# Altium PCB BC2087.PcbDoc (part 1 of 6) (continued)
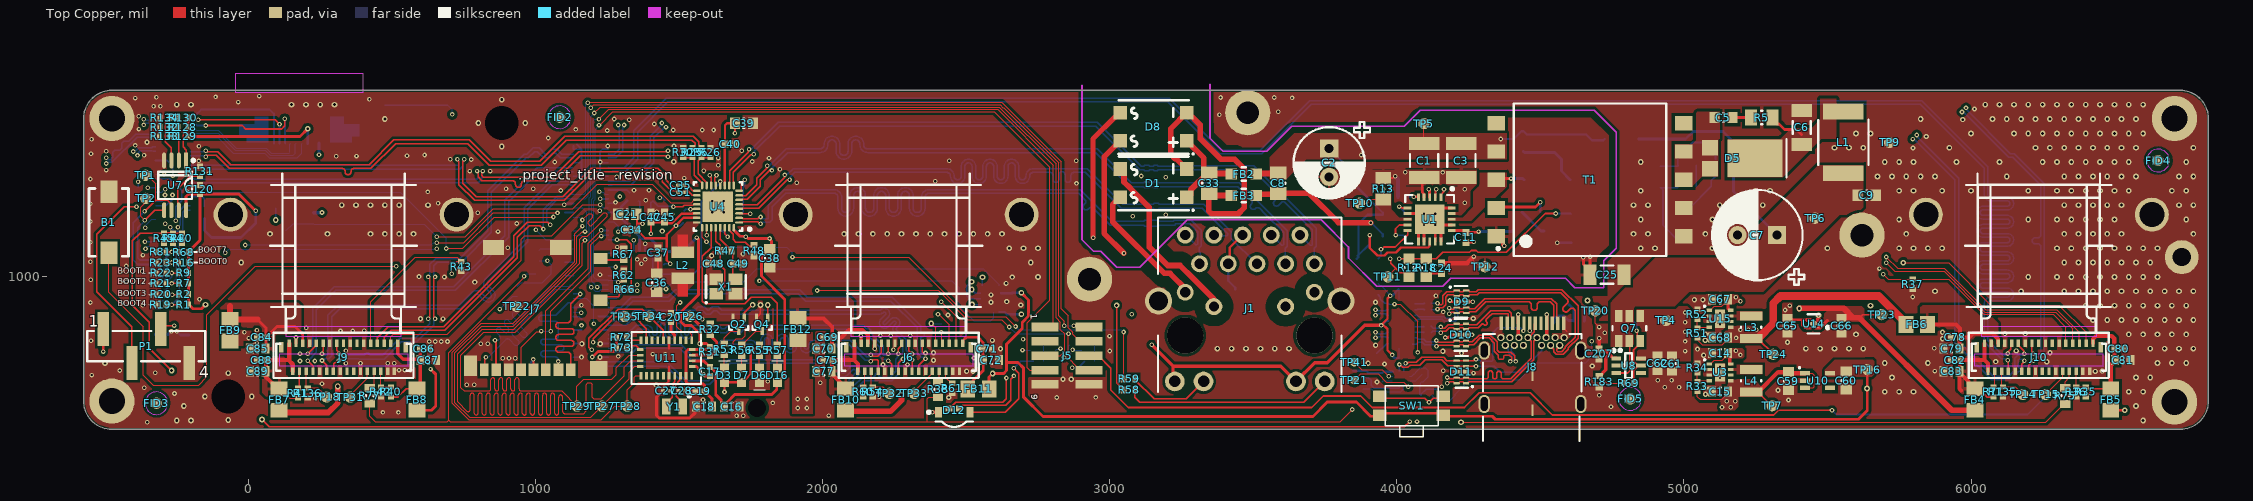
[diagram p0: Top Copper view]
## Components (designator, comment, footprint, x,y, rotation, side; value= is the part's Value field where it differs from the comment) (continued)
C53 "0.1uF 0402" CAPC0402(1005)70_N 1446.73,1200.39 r90 bottom
C55 "4.7uF 0603" CAPC0603(1608)100_N 952.76,669.69 r0 bottom
C58 "0.1uF 0201" CAPC0201(0603)33_L 4017.36,717.61 r180 bottom
C59 "10uF 0603" CAPC0603(1608)100_N 5364.17,637.19 r90 top
C60 "10uF 0603" CAPC0603(1608)100_N 5564.96,638.94 r90 top
C61 "22uF 0603" CAPC0603(1608)100_L 4957.96,698.27 r270 top
C62 "22uF 0603" CAPC0603(1608)100_L 4908.26,699.13 r270 top
C65 "10uF 0603" CAPC0603(1608)100_L 5360.38,829.72 r90 top
C66 "10uF 0603" CAPC0603(1608)100_L 5549.21,829.72 r90 top
C67 "10uF 0603" CAPC0603(1608)100_L 5125.98,922.24 r0 top
C68 "22uF 0603" CAPC0603(1608)100_L 5125.98,788.69 r0 top
C69 "0.1uF 0402" CAPC0402(1005)70_L 2017.41,789.59 r0 top
C70 "10uF 0603" CAPC0603(1608)100_L 2004.04,750.22 r0 top
C71 "0.1uF 0402" CAPC0402(1005)70_L 2573.59,750.22 r180 top
C72 "10uF 0603" CAPC0603(1608)100_L 2586.79,710.55 r180 top
C73 "10uF 0402" CAPC0402(1005)70_N 4739.67,735 r90 bottom
C74 "10uF 0402" CAPC0402(1005)70_N 3868.11,834.65 r0 bottom
C75 "0.1uF 0402" CAPC0402(1005)70_L 2017.41,710.55 r0 top
C76 "10uF 0402" CAPC0402(1005)70_L 3949.51,649.89 r90 bottom
C77 "10uF 0603" CAPC0603(1608)100_L 2004.04,671.48 r0 top
C78 "0.1uF 0402" CAPC0402(1005)70_L 5945.56,789.59 r0 top
C79 "10uF 0603" CAPC0603(1608)100_L 5932.18,750.22 r0 top
C80 "0.1uF 0402" CAPC0402(1005)70_L 6514.97,750.22 r180 top
C81 "10uF 0603" CAPC0603(1608)100_L 6528.74,710.55 r180 top
C82 "0.1uF 0402" CAPC0402(1005)70_L 5945.96,710.55 r0 top
C83 "10uF 0603" CAPC0603(1608)100_L 5932.18,671.48 r0 top
C84 "0.1uF 0402" CAPC0402(1005)70_L 45.69,789.59 r0 top
C85 "10uF 0603" CAPC0603(1608)100_L 31.91,750.22 r0 top
C86 "0.1uF 0402" CAPC0402(1005)70_L 612.2,750.22 r180 top
C87 "10uF 0603" CAPC0603(1608)100_L 626.11,710.55 r180 top
C88 "0.1uF 0402" CAPC0402(1005)70_L 45.69,710.55 r0 top
C89 "10uF 0603" CAPC0603(1608)100_L 31.91,671.48 r0 top
C97 "0.1uF 0201" CAPC0201(0603)33_L 4017.9,956.69 r180 bottom
C120 "0.1uF 0402" CAPC0402(1005)70_L -169.29,1304.88 r270 top
C207 "10uF 0402" CAPC0402(1005)70_N 4704.72,731.79 r90 top
C208 "0.1uF 0201" CAPC0201(0603)33_L 4107.13,805.2 r180 bottom
C209 "0.1uF 0201" CAPC0201(0603)33_L 4107.13,828.82 r180 bottom
C211 "0.1uF 0201" CAPC0201(0603)33_L 4107.91,884.13 r180 bottom
C212 "0.1uF 0201" CAPC0201(0603)33_L 4108.31,909.45 r180 bottom
D1 "CD-HD01" CD-H01 3151.93,1326.77 r270 top
D2 "1N4148W" 1N4148W-7-F 4464.14,1160.43 r0 bottom
D3 "ORANGE 0603" SML_D1xx8W 1657.48,657.48 r270 top
D4 "RS1B" RS1B 4523.19,1338.58 r180 bottom
D5 "PDS1040" PDS1040-13 5203.7,1413.39 r180 top
D6 "RED 0603" SML_D1xx8W 1779.53,657.48 r90 top
D7 "ORANGE 0603" SML_D1xx8W 1717.63,657.48 r270 top
D8 "CD-HD01" CD-H01 3151.93,1522.98 r270 top
D9 "TPD4E02B04DQAR" TPD4E02B04DQAR 4225.46,913.39 r270 top
D10 "TPD4E02B04DQAR" TPD4E02B04DQAR 4224.41,797.92 r270 top
D11 "TPD4E02B04DQAR" TPD4E02B04DQAR 4224.41,669.29 r90 top
D12 "155124M173200" FP-155124M173200-MFG 2458,509 r0 top
D16 "GREEN 0603" SML_D1xx8W 1841.97,657.48 r270 top
D17 "TPD4E02B04DQAR" TPD4E02B04DQAR 3144.98,1216.54 r90 bottom
D18 "TPD4E02B04DQAR" TPD4E02B04DQAR 3144.98,1350.39 r90 bottom
FB2 "700R/150Mhz" 742792040 3466.42,1358.27 r0 top
FB3 "700R/150Mhz" 742792040 3466.42,1283.46 r0 top
FB4 "600R/100MHz" 2508056017Y2 6013.85,572.83 r90 top
FB5 "600R/100MHz" 2508056017Y2 6486.76,572.83 r90 top
FB6 "600R/100MHz" 2508056017Y2 5811.02,834.65 r0 top
FB7 "600R/100MHz" 2508056017Y2 106.3,572.83 r90 top
FB8 "600R/100MHz" 2508056017Y2 586.61,572.83 r90 top
FB9 "600R/100MHz" 2508056017Y2 -64.47,814.27 r90 top
FB10 "600R/100MHz" 2508056017Y2 2079.46,572.83 r90 top
FB11 "600R/100MHz" 2508056017Y2 2542.21,610.24 r180 top
FB12 "600R/100MHz" 2508056017Y2 1913.44,818.33 r90 top
FID1 "FIDUCIAL_ROUND_1MM" FIDUCIAL_ROUND_1MM 5756.89,765.75 r90 bottom
FID2 "FIDUCIAL_ROUND_1MM" FIDUCIAL_ROUND_1MM 1083.66,1556.1 r90 top
FID3 "FIDUCIAL_ROUND_1MM" FIDUCIAL_ROUND_1MM -320.87,560.04 r90 top
FID4 "FIDUCIAL_ROUND_1MM" FIDUCIAL_ROUND_1MM 6652.02,1405.51 r90 top
FID5 "FIDUCIAL_ROUND_1MM" FIDUCIAL_ROUND_1MM 4812.99,574.8 r90 top
FID6 "FIDUCIAL_ROUND_1MM" FIDUCIAL_ROUND_1MM 477.36,1460.63 r90 bottom
J1 "802.3af PoE" TRJG0926HENL 3487.6,795.73 r0 top locked
J2 "DF40HC(3.0)-100DS-0.4V_SoM-PRO_A" CON_A_BW2099_SoM_DF40HC-3.0-100DS-0.4V_minpad 503.35,1059.06 r180 bottom locked
J3 "DF40HC(3.0)-100DS-0.4V_SoM-PRO_B" CON_B_BW2099_SoM_DF40HC-3.0-100DS-0.4V_minpad 504.33,1059.06 r180 bottom locked
J4 "SFV10R-2STE1HLF Top Contact" SFV10R-2STE1HLF 176.87,1484.47 r0 bottom
J5 "20021121-00010T1LF" 20021121-00010T1LF 2851.38,725.39 r270 top
J6 "FH26W-33S-0.3SHW(60)" AC-PY003-OV9282 2298.58,1108.27 r0 top locked
J7 "uSD push/pull" 104031-0811 999.73,889.27 r0 top locked
J8 "632723100011" 632723100011 4472.44,604.62 r0 top locked
J9 "FH26W-33S-0.3SHW(60)" AC-PY003-OV9282 330.08,1108.27 r0 top locked
J10 "FH26W-33S-0.3SHW(60)" AC-PY003-OV9282 6235.59,1108.27 r0 top locked
L1 "1uH 2.9A" DO1608C-102MLx 5555.12,1468.5 r270 top
L2 "2.2uH 0.61A 97mR" LQH32NH2R2J23L 1512.32,1040.61 r270 top
L3 "1uH, 3.2A, 20%" DFE252012P-1R0M=P2 5234.25,824.8 r270 top
L4 "1uH, 3.2A, 20%" DFE252012P-1R0M=P2 5234.25,638.1 r270 top
MH1 "M2, 3MM steel spacer on M2.5 mounting pad" 9774030243R 882.03,1535.86 r180 bottom
MH2 "M2, 3MM steel spacer on M2.5 mounting pad" 9774030243R -70.72,583.1 r180 bottom
P1 "61000418321" 61000418321 -356.43,759 r0 top
Q1 "PREBIAS'd DDTC114YCA-7-F" DDTC114YCA-7-F 131.93,1199.37 r0 bottom
Q2 "RE1C002UNTCL" RE1C002UNTCL 1707,835 r180 top
Q3 "RE1C002UNTCL" RE1C002UNTCL 2746.65,763.78 r90 bottom
Q4 "RE1C002UNTCL" RE1C002UNTCL 1789,835 r180 top
Q5 "RE1C002UNTCL" RE1C002UNTCL 2835.63,763.78 r90 bottom
Q6 "RE1C002UNTCL" RE1C002UNTCL 2926.18,763.78 r90 bottom
Q7 "IRLTS2242TRPBF" TSOP-6-MFG 4810.04,820.87 r90 top
Q8 "NTJS4151PT1G" ONSC-SC70-6-419B-02_W_V 4562,928 r180 bottom
R1 "RC0402FR-1310KL" RESC0402(1005)_L -226.38,903.6 r0 top value=10k
R2 "RC0402FR-1310KL" RESC0402(1005)_L -226.38,939.96 r0 top value=10k
R3 "10R 0603" RESC0603(1608)_N 4468.08,1227.36 r0 bottom
R4 "18K 0603" RESC0603(1608)_N 4515.32,1464.57 r90 bottom
R5 "6.8R 0805" RESC0805(2012)_N 5271.65,1555.12 r0 top
R6 "22R 0402" RESC0402(1005)_L 1577.24,1433.65 r90 top
R7 "RC0402FR-1310KL" RESC0402(1005)_L -226.38,977.36 r0 top value=10k
R8 "88.7K 0805" RESC0805(2012)_N 3897.77,1062.99 r0 bottom
R9 "RC0402FR-1310KL" RESC0402(1005)_L -226.38,1013.78 r0 top value=10k
R10 "48.7R 0805" RESC0805(2012)_N 3988.32,1141.73 r0 bottom
R11 "24.3k 0805" RESC0805(2012)_N 3988.32,1216.54 r0 bottom
R12 "4.99k 0603" RESC0603(1608)_N 4042.09,1031.5 r270 top
R13 "0.62R 0805" RESC0805(2012)_N 3952.76,1307.09 r90 top
R14 "36.5k 0603" RESC0603(1608)_N 5141.73,1468.5 r0 bottom
R15 "12.1k 0603" RESC0603(1608)_N 5141.73,1409.45 r180 bottom
R16 "RC0402FR-1310KL" RESC0402(1005)_L -226.38,1050.2 r0 top value=10k
R17 "0R 0603" RESC0603(1608)_N 5011.65,1387.8 r0 bottom
R18 "0R 0603" RESC0603(1608)_N 4102.75,1031.5 r90 top
R19 "RC0402FR-1310KL" RESC0402(1005)_L -305.12,903.6 r0 top value=10k
R20 "RC0402FR-1310KL" RESC0402(1005)_L -304.81,939.96 r0 top value=10k
R21 "RC0402FR-1310KL" RESC0402(1005)_L -304.81,977.36 r0 top value=10k
R22 "RC0402FR-1310KL" RESC0402(1005)_L -304.81,1013.78 r0 top value=10k
R23 "RC0402FR-1310KL" RESC0402(1005)_L -305.12,1050.2 r0 top value=10k
R24 "2.05k 0603" RESC0603(1608)_N 5141.73,1350.39 r0 bottom
R25 "22R 0402" RESC0402(1005)_L 1545.91,1433.65 r90 top
R26 "49.9R 0402" RESC0402(1005)_L 1608.73,1433.65 r270 top
R27 "0R 0402" RESC0402(1005)_L -386,1294 r90 bottom
R28 "10K 0402" RESC0402(1005)_N 226.42,1203.3 r270 bottom
R29 "10K 0402" RESC0402(1005)_N 1515.75,1208.66 r90 bottom
R30 "49.9R 0402" RESC0402(1005)_L 1514.2,1433.61 r270 top
R31 "RC0402FR-1310KL" RESC0402(1005)_L 1607,740 r90 top value=10k
R32 "CRCW04020000Z0ED" RESC0402(1005)_N 1608,817 r90 top value=0
R33 "300K 0402" RESC0402(1005)_L 5047.24,618.41 r270 top
R34 "47K 0402" RESC0402(1005)_L 5047.24,682.98 r270 top
R35 "10K 0402" RESC0402(1005)_L 6399.75,599.41 r90 top
R36 "10K 0402" RESC0402(1005)_L 6366.29,599.41 r90 top
R37 "10K 0402" RESC0402(1005)_L 5796.86,974.41 r270 top
R38 "0R 0603" RESC0603(1608)_L 2402,608.49 r90 top
R39 "22R 0603" RESC0603(1608)_L 1027.56,1011.81 r0 bottom
R40 "10K 0402" RESC0402(1005)_L 495.79,599.41 r90 top
R41 "10K 0402" RESC0402(1005)_L 172.6,595.47 r270 top
R42 "10K 0402" RESC0402(1005)_L 461.19,599.41 r90 top
R43 "10K 0402" RESC0402(1005)_L 740.89,1036.14 r90 top
R44 "CRCW04020000Z0ED" RESC0402(1005)_L -262.8,1134.84 r270 top value=0R
R45 "CRCW04020000Z0ED" RESC0402(1005)_L -294.29,1134.84 r270 top value=0R
R46 "10K 0402" RESC0402(1005)_N 1427.05,1042.91 r180 bottom
R47 "1M 0402" RESC0402(1005)_N 1662.4,1090.98 r0 top
R48 "2.49K 0402" RESC0402(1005)_N 1760.83,1091.54 r90 top
R49 "10K 0402" RESC0402(1005)_N 1429.13,1266.18 r180 bottom
R50 "10K 0402" RESC0402(1005)_N 1338.19,1266.18 r180 bottom
R51 "65.3k 0402" RESC0402(1005)_L 5047.24,804.44 r270 top
R52 "39.2k 0402" RESC0402(1005)_L 5047.24,869.69 r270 top
R53 "1K 0402" RESC0402(1005)_N 1657.48,748.03 r270 top
R54 "10K 0402" RESC0402(1005)_L 2173.99,599.18 r270 top
R55 "1K 0402" RESC0402(1005)_N 1779.53,744.09 r90 top
R56 "1K 0402" RESC0402(1005)_N 1717.63,744.09 r270 top
R57 "470R 0402" RESC0402(1005)_N 1841.97,744.09 r270 top
R58 "470R 0402" RESC0402(1005)_N 3068.02,606.24 r0 top
R59 "470R 0402" RESC0402(1005)_N 3068.02,644.41 r0 top
R60 "10K 0402" RESC0402(1005)_L 2141.46,599.18 r90 top
R61 "10K 0402" RESC0402(1005)_L 2451,612 r270 top
R62 "1K 0402" RESC0402(1005)_L 1307.09,1006.45 r90 top
R63 "ERJ2RKF7500X" RESC1005X40X25NL05T05 2751.97,706.69 r180 bottom value=750
R64 "CRCW04021K20FKED" RESC1005X40X25NL05T05 2845.47,706.69 r180 bottom value=1.2k
R65 "RC0402FR-07150RL" RESC1005X40X25NL05T10 2930.12,706.69 r180 bottom value=150
R66 "0R 0402" RESC0402(1005)_N 1311.02,956.69 r0 top
R67 "0R 0402" RESC0402(1005)_N 1307.09,1078.74 r270 top
R68 "RC0402FR-1310KL" RESC0402(1005)_L -226.38,1086.61 r0 top value=10k
R69 "100K 0402" RESC0402(1005)_L 4807.09,630.39 r180 top
R70 "10K 0402" RESC0402(1005)_L 2432.2,836.76 r180 bottom
R71 "10K 0402" RESC0402(1005)_L 6078.82,599.41 r270 top
R72 "RC0402FR-072K2L" RESC0402(1005)_L 1299,790 r0 top value=2.2k
R73 "RC0402FR-072K2L" RESC0402(1005)_L 1299,753 r0 top value=2.2k
R74 "0R 0603" RESC0603(1608)_L 4477,922.09 r90 bottom
R75 "0R 0603" RESC0603(1608)_L 6328.45,585.47 r90 top
R76 "470R 0402" RESC0402(1005)_L 4635,846.86 r0 bottom
R77 "0R 0603" RESC0603(1608)_L 422.01,586.13 r90 top
R78 "17.8K 0402" RESC0402(1005)_L 4579.56,846.46 r90 bottom
R79 "10K 0402" RESC0402(1005)_N -154,1224 r90 bottom
R80 "CRCW04020000Z0ED" RESC0402(1005)_L -232.28,1134.84 r270 top value=0R
R81 "RC0402FR-1310KL" RESC0402(1005)_L -305.12,1087.01 r0 top value=10k
R82 "CRCW04020000Z0ED" RESC0402(1005)_L 1012.28,1074.72 r90 bottom value=0R
R83 "CRCW04020000Z0ED" RESC0402(1005)_L 936,950.28 r270 bottom value=0R
R128 "10K 0402" RESC0402(1005)_L -228.56,1521.62 r0 top
R129 "10K 0402" RESC0402(1005)_L -229.33,1489.17 r0 top
R130 "10K 0402" RESC0402(1005)_L -228.35,1554.35 r0 top
R131 "1K 0402" RESC0402(1005)_L -169.29,1367.87 r270 top
R132 "10K 0402" RESC0402(1005)_L -291.56,1521.62 r0 top
R133 "10K 0402" RESC0402(1005)_L -292.32,1489.17 r0 top
R134 "10K 0402" RESC0402(1005)_L -291.34,1554.35 r0 top
R135 "10K 0402" RESC0402(1005)_L 6111.19,599.41 r270 top
R136 "10K 0402" RESC0402(1005)_L 206.21,595.47 r270 top
R183 "10K 0402" RESC0402(1005)_N 4704.72,634.68 r90 top
R185 "10K 0402" RESC0402(1005)_N 3928.58,713.68 r270 bottom
R186 "10K 0402" RESC0402(1005)_N 3933.54,957.58 r90 bottom
R187 "1.8MR 0402" RESC0402(1005)_N 4103.5,588.58 r180 bottom
R190 "1.8MR 0402" RESC0402(1005)_N 4184.06,589.57 r180 bottom
R213 "RC0402FR-1310KL" RESC0402(1005)_N 3862.65,608.16 r180 bottom
R214 "RC0402FR-1310KL" RESC0402(1005)_N 3862.65,649.5 r180 bottom
SW1 "434331045822" 434331045822 4051.24,551.18 r0 top
SW2 "434331045822" 434331045822 584,1564 r0 bottom
T1 "749119950" 749119950 4672.8,1338.58 r90 top locked
TP1 "TP100_200_NS" TP100_200_NS -359.26,1353.94 r0 top
TP2 "TP100_200_NS" TP100_200_NS -358.27,1273.62 r0 top
TP3 "TP100_200_NS" TP100_200_NS 2004.92,1149.61 r180 bottom
TP4 "TP100_200_NS" TP100_200_NS 4937.01,848.29 r0 top
TP5 "TP100_200_NS" TP100_200_NS 4094.49,1534.15 r0 top
TP6 "TP100_200_NS" TP100_200_NS 5456.69,1204.72 r0 top
TP7 "TP100_200_NS" TP100_200_NS 5307.09,551.18 r0 top
TP8 "TP100_200_NS" TP100_200_NS 4285.29,1158.46 r180 bottom
TP9 "TP100_200_NS" TP100_200_NS 5716.54,1468.5 r0 top
TP10 "TP100_200_NS" TP100_200_NS 3870.08,1257.32 r90 top
TP11 "TP100_200_NS" TP100_200_NS 3968.5,1000.27 r90 top
TP12 "TP100_200_NS" TP100_200_NS 4307.09,1035.43 r90 top
TP13 "TP100_200_NS" TP100_200_NS 4200.79,1058.33 r90 bottom
TP14 "TP100_200_NS" TP100_200_NS 6181.1,590.55 r90 top
TP15 "TP100_200_NS" TP100_200_NS 6259.84,590.55 r90 top
TP16 "TP100_200_NS" TP100_200_NS 5639,677 r90 top
TP17 "TP100_200_NS" TP100_200_NS 4806.1,862.2 r90 bottom
TP18 "TP100_200_NS" TP100_200_NS 271.8,581.69 r90 top
TP19 "TP100_200_NS" TP100_200_NS 5704.72,1236.22 r90 bottom
TP20 "TP100_200_NS" TP100_200_NS 4691.93,881.89 r90 top
TP21 "TEST_POINT" TP075_150_NS 3852.21,640 r90 top
TP22 "TP100_200_NS" TP100_200_NS 934.06,897.24 r90 top
TP23 "TP100_200_NS" TP100_200_NS 5688.98,868.6 r90 top
TP24 "TP100_200_NS" TP100_200_NS 5311.02,730.62 r90 top
TP25 "TEST_POINT" TP075_150_NS 4089.11,661.24 r270 bottom
TP26 "TEST_POINT" TP100_200_NS 1537,862.91 r90 top
TP27 "TP100_200_NS" TP100_200_NS 1231,550 r90 top
TP28 "TP100_200_NS" TP100_200_NS 1319,550 r90 top
TP29 "TP100_200_NS" TP100_200_NS 1144,550 r90 top
TP30 "TP100_200_NS" TP100_200_NS 1079.49,1129.92 r90 bottom
TP31 "TP100_200_NS" TP100_200_NS 354.18,581.57 r90 top
TP32 "TP100_200_NS" TP100_200_NS 2232.28,594.49 r90 top
TP33 "TP100_200_NS" TP100_200_NS 2318.9,594.49 r90 top
TP34 "TEST_POINT" TP100_200_NS 1396,862.91 r90 top
TP35 "TEST_POINT" TP100_200_NS 1311.02,861.91 r90 top
TP41 "TEST_POINT" TP075_150_NS 3852,703 r90 top
U1 "SI3404-A-GM" Si3404-A-GM 4114.3,1200.79 r270 top
U2 "VO618A-3X017T" VO618A-3X017T 4794.85,1169.29 r180 bottom
U3 "TLV62080DSG" TLV62080DSG 5125.98,667.62 r0 top
U4 "RTL8111HS-CG" RTL8111Hx-CG 1635.14,1245.04 r180 top
U5 "TLV431" TLV431BCDBZR 4873.85,1348.43 r180 bottom
U6 "TXS0102DCU" TXS0102DCUR 1371.93,1153.14 r90 bottom
U7 "24AA32A-I/MS 8-MSOP" 24AA32A-I/MS -255.91,1318.9 r270 top
U8 "LM66100DCKR" LM66100DCKR 4807.09,690.94 r0 top
U9 "BMI270" XDCR_BMI270 2585.79,923.23 r270 bottom
U10 "TLV70018DCK" TLV70018DCK 5465.55,638.94 r270 top
U11 "BNO085" BNO085 1455,717.52 r270 top locked
U14 "NCP114AMX280TCG" FP-517CU-MFG 5451.53,836.61 r90 top
U15 "TLV62080DSG" TLV62080DSG 5125.98,854.33 r0 top
U61 "CBTL02043A" CBTL02043A 4017.36,836.9 r0 bottom
U62 "PTN5150AHXMP" PTN5150H 4013.45,645.96 r180 bottom
X1 "25MHz 18pF 2.50x2.00mm" ECS-250-18-36B-CKY-TR 1662.7,966.45 r0 top
Y1 "ABS06-127-32.768KHZ-T" ABS06-127-32.768KHZ-T 1483.29,548.35 r180 top

## Footprints (in the part's own frame and the unit in brackets; to place one, negate y for a bottom-side part, rotate by r counter-clockwise, add the part's x,y. Pads: shape width x height; smd on the part's side, far side on the other; paste and mask are expansions set on the pad)
1N4148W-7-F [mm] "SOD123, 2-Leads, Body 2.7x1.55mm, Height 1.45mm"
  rect 0.9x0.95 smd: 1(-1.575,0) 2(1.575,0)
  silkscreen extent -2.4,-0.87 0,0.87, body extent -1.35,-0.77 1.35,0.77, height 1.45
24AA32A-I/MS [mm] "Body: 3 x 3mm, pitch: 0.65mm"
  rect 1.4x0.35 smd mask+0.05: 1(-2.2,0.975)
  oval 1.4x0.35 smd mask+0.05: 2(-2.2,0.325) 3(-2.2,-0.325) 4(-2.2,-0.975) 5(2.2,-0.975) 6(2.2,-0.325) 7(2.2,0.325) 8(2.2,0.975)
  silkscreen extent -2.32,-1.5 1.2,1.73, body extent -2.45,-1.5 2.45,1.5, height 1.15
104031-0811 [mm] "10 (8 + 2) Position Card Connector Secure Digital - microSD?Surface Mount, Right Angle Gold"
  rect 0.85x1.1 smd: 1(3.113,-5.412) 3(0.913,-5.412) 4(-0.188,-5.412) 5(-1.288,-5.412) 6(-2.387,-5.412) 7(-3.487,-5.412)
  rect 0.875x1.1 smd: 2(2.013,-5.412)
  rect 0.75x1.1 smd: 8(-4.537,-5.412)
  rect 1.2x1 smd: 9(5.748,0.738) 10(5.748,4.438)
  rect 1.9x1.35 smd: 11(2.248,5.413) 12(-3.722,5.413)
  rect 1.17x1.8 smd: 13(-5.747,-5.062)
  rect 1.55x1.35 smd: 14(5.573,-5.287)
  body extent -5.95,-5.65 6,5.75, height 1.44
20021121-00010T1LF [mm] "Connector Header Surface Mount 10 position 0.050\" (1.27mm)   Contact length: 0.120\" (3.05mm)"
  rect 0.76x2.4 smd: 1(-2.54,-1.95) 2(-2.54,1.95) 3(-1.27,-1.95) 4(-1.27,1.95) 5(0,-1.95) 6(0,1.95) 7(1.27,-1.95) 8(1.27,1.95) 9(2.54,-1.95) 10(2.54,1.95)
  body extent -3.18,-2.75 3.17,2.75, height 4.55
742792040 [mm] "Chip Inductor, 2-Leads, Body 2.0x1.2mm"
  rect 1x1 smd: 1(-1.1,0) 2(1.1,0)
  silkscreen extent -0.2,-0.6 0.2,0.6, body extent -1,-0.6 1,0.6, height 0.89
749119950 [mm] "SMD, 10-Leads, Body 13.5x14.0mm (max), Pitch 2.48mm, IPC Medium Density"
  rect 1.27x1.55 smd: 1(-5,8.275) 2(-2.5,8.275) 3(0,8.275) 4(2.5,8.275) 5(5,8.275) 6(5,-8.275) 7(2.5,-8.275) 8(0,-8.275) 9(-2.5,-8.275) 10(-5,-8.275)
  silkscreen extent -6.75,-6.75 6.75,8.25, body extent -6.75,-8.88 6.75,8.87, height 12.6
2508056017Y2 [mm] "2508056017Y2 Chip Inductor, 2-Leads, Body 2.00x1.25mm"
  rect 1.3x1.5 smd: 1(-0.95,0) 2(0.95,0)
  body extent -1.1,-0.72 1.1,0.73, height 1.45
9774030243R [mm] "STANDOFF_M2X0.4_3MM with no pad on bottom of PCB"
  round 5.3 / inner round 2.7 / far side round 2.7 hole 3 mask+0.05: 1(0,0)
  body extent -2.17,-2.16 2.18,2.16, height 3.05
61000418321 [mm] "Pin Header, pitch 2.54 mm, SMD, Vertical, single row, 4p"
  rect 1x3 smd: 1(-3.81,1.5) 2(-1.27,-1.5) 3(1.27,1.5) 4(3.81,-1.5)
  silkscreen extent -5.23,-1.34 5.23,1.35, body extent -5.08,-2.5 5.08,2.5, height 9.37
434331045822 [mm] "4.7*3.5mm side push type,SMD, height 1.65mm, black actuator, 220gf, T&R"
  rect 1.2x1 smd: 1(2.8,0.85) 2(2.8,-0.85) 3(-2.8,0.85) 4(-2.8,-0.85)
  silkscreen extent -2.35,-2.75 2.35,1.75, body extent -3.2,-2.75 3.2,1.75, height 1.65
632723100011 [mm] "USB 3.1 Type C Receptacle Horizontal THR"
  rect 0.3x1.2 smd: A1(-2.75,5.93) A2(-2.25,5.93) A3(-1.75,5.93) A4(-1.25,5.93) A5(-0.75,5.93) A6(-0.25,5.93) A7(0.25,5.93) A8(0.75,5.93) A9(1.25,5.93) A10(1.75,5.93) A11(2.25,5.93) A12(2.75,5.93)
  round 0.65 hole 0.4: B1(2.8,4.68) B2(2.4,3.98) B3(1.6,3.98) B4(1.2,4.68) B5(0.8,3.98) B6(0.4,4.68) B7(-0.4,4.68) B8(-0.8,3.98) B9(-1.2,4.68) B10(-1.6,3.98) B11(-2.4,3.98) B12(-2.8,4.68) G1(2,4.68) G2(-2,4.68)
  oval 1x1.6 hole 0.6 slot 1.2 at 90 deg: Shell(-4.27,-1.2) Shell(-4.27,3.53) Shell(4.27,-1.2) Shell(4.27,3.53)
  rect 0.2x1 smd: Shell(0,-1.75) Shell(0,1.35)
  silkscreen extent -4.37,-4.45 4.34,5, body extent -4.37,-5.6 4.37,6.19, height 3.05
ABS06-127-32.768KHZ-T [mm] "2-SMD 0.079\" L x 0.047\" W (2.00mm x 1.20mm)"
  rect 0.75x1.4 smd: 1(-0.73,0) 2(0.73,0)
  body extent -1,-0.6 1,0.6, height 0.65
AC-PY003-OV9282 [mm] "connector: FH26W-33S-0.3SHW"
  rect 0.4x0.95 smd mask+0.05: 0(-5.488,-8.984) 0(5.512,-8.984)
  rect 0.3x0.65 smd mask+0.05: 1(4.812,-8.634) 2(4.52,-11.084) 3(4.212,-8.634) 4(3.92,-11.084) 5(3.612,-8.634) 6(3.32,-11.084) 7(3.012,-8.634) 8(2.72,-11.084) 9(2.412,-8.634) 10(2.12,-11.084) 11(1.812,-8.634) 12(1.52,-11.084) 13(1.212,-8.634) 14(0.92,-11.084) 15(0.612,-8.634) 16(0.32,-11.084) 17(0.012,-8.634) 18(-0.28,-11.084) 19(-0.588,-8.634) 20(-0.88,-11.084) 21(-1.188,-8.634) 22(-1.48,-11.084) 23(-1.788,-8.634) 24(-2.08,-11.084) 25(-2.388,-8.634) 26(-2.68,-11.084) 27(-2.988,-8.634) 28(-3.28,-11.084) 29(-3.588,-8.634) 30(-3.88,-11.084) 31(-4.188,-8.634) 32(-4.48,-11.084) 33(-4.788,-8.634)
  Top Copper keep-out region: -4.2,-4.2 4.3,-4.2 4.3,4.2 -4.2,4.2
  Top Copper keep-out region: -5.688,-10.602 5.73,-10.602 5.73,-9.573 -5.688,-9.573
  Top Copper keep-out region: -5.088,-7.981 5.131,-7.981 5.131,-7.138 -5.088,-7.138
  silkscreen extent -6.5,-11.68 6.52,6.39, body extent -5.69,-11.43 5.71,5.1, height 5.6
BNO085 [mm] "28-TFLGA Module (5.2x3.8)"
  rect 0.675x0.25 smd paste+0 mask+0: 1(1.562,2.25) 6(-1.562,2.25) 7(-1.562,1.75) 8(-1.562,1.25) 9(-1.562,0.75) 10(-1.562,0.25) 11(-1.562,-0.25) 12(-1.562,-0.75) 13(-1.562,-1.25) 14(-1.562,-1.75) 15(-1.562,-2.25) 20(1.562,-2.25) 21(1.562,-1.75) 22(1.562,-1.25) 23(1.562,-0.75) 24(1.562,-0.25) 25(1.562,0.25) 26(1.562,0.75) 27(1.562,1.25) 28(1.562,1.75)
  rect 0.25x0.575 smd paste+0 mask+0: 2(0.75,2.312) 3(0.25,2.312) 4(-0.25,2.312) 5(-0.75,2.312) 16(-0.75,-2.312) 17(-0.25,-2.312) 18(0.25,-2.312) 19(0.75,-2.312)
  silkscreen extent -2.3,-3.08 3.47,3.08, body extent -2.45,-3.15 2.45,3.15, height 0.25
CAPC0201(0603)33_L [mm] "Chip Capacitor, Body 0.6x0.3mm, Height 0.33mm, IPC High Density"
  rect 0.36x0.32 smd: 1(-0.28,0) 2(0.28,0)
  body extent -0.32,-0.17 0.32,0.17, height 0.33
CAPC0402(1005)60_N [mm] "Chip Capacitor, Body 1.0x0.5mm, Height 0.6mm, IPC Medium Density"
  rect 0.62x0.62 smd: 1(-0.45,0) 2(0.45,0)
  body extent -0.55,-0.3 0.55,0.3, height 0.6
CAPC0402(1005)70_L [mm] "Chip Capacitor, Body 1.0x0.5mm, Height 0.7mm, IPC High Density"
  rect 0.52x0.52 smd: 1(-0.4,0) 2(0.4,0)
  body extent -0.55,-0.3 0.55,0.3, height 0.7
CAPC0402(1005)70_N [mm] "Chip Capacitor, Body 1.0x0.5mm, Height 0.7mm, IPC Medium Density"
  rect 0.62x0.62 smd: 1(-0.45,0) 2(0.45,0)
  body extent -0.55,-0.3 0.55,0.3, height 0.7
CAPC0603(1608)100_L [mm] "Chip Capacitor, Body 1.6x0.8mm, Height 1.0mm, IPC High Density"
  rect 0.7x0.9 smd: 1(-0.7,0) 2(0.7,0)
  silkscreen extent -0.05,-0.35 0.05,0.35, body extent -0.87,-0.47 0.88,0.48, height 1
CAPC0603(1608)100_N [mm] "Chip Capacitor, Body 1.6x0.8mm, Height 1.0mm, IPC Medium Density"
  rect 0.9x1 smd: 1(-0.8,0) 2(0.8,0)
  silkscreen extent -0.05,-0.4 0.05,0.4, body extent -0.87,-0.48 0.88,0.47, height 1
CAPC0805(2012)145_N [mm] "Chip Capacitor, Body 2.0x1.2mm, Height 1.45mm, IPC Medium Density"
  rect 1.15x1.45 smd: 1(-0.9,0) 2(0.9,0)
  silkscreen extent -0.05,-0.62 0.05,0.63, body extent -1.1,-0.72 1.1,0.73, height 1.45
CAPC1206(3216)190_N [mm] "Chip Capacitor, Body 3.2x1.6mm, Height 1.9mm, IPC Medium Density"
  rect 1.15x1.8 smd: 1(-1.5,0) 2(1.5,0)
  silkscreen extent -0.55,-0.8 0.55,0.8, body extent -1.7,-0.9 1.7,0.9, height 1.9
CAPC1210(3225)280_N [mm] "Chip Capacitor, Body 3.2x2.5mm, Height 2.8mm, IPC Medium Density"
  rect 1.15x2.7 smd: 1(-1.5,0) 2(1.5,0)
  silkscreen extent -0.55,-1.25 0.55,1.25, body extent -1.7,-1.4 1.7,1.4, height 2.8
CBTL02043A [mm] "VQFN-20"
  rrect20% 0.25x0.6 smd mask+0.07: 1(-0.25,2.15) 10(-0.25,-2.15) 11(0.25,-2.15) 20(0.25,2.15)
  rrect20% 0.6x0.25 smd mask+0.07: 2(-1.15,1.75) 3(-1.15,1.25) 4(-1.15,0.75) 5(-1.15,0.25) 6(-1.15,-0.25) 7(-1.15,-0.75) 8(-1.15,-1.25) 9(-1.15,-1.75) 12(1.15,-1.75) 13(1.15,-1.25) 14(1.15,-0.75) 15(1.15,-0.25) 16(1.15,0.25) 17(1.15,0.75) 18(1.15,1.25) 19(1.15,1.75)
  rrect10% 1x3 smd paste-3 mask+0.07: 21(0,0)
  silkscreen extent -1.25,-2.25 1.25,2.53, body extent -1.25,-2.25 1.25,2.25, height 1
CD-H01 [mm] "2 mm SMD Trimming Potentiometer  Specifications are subject to change without notice.  Users should verify actual device performance in their specific applications.  The products described herein and this document are subject to specific legal disclaimers as set forth on the last page of this document, and at www.bourns.com/docs/legal/disclaimer.pdf.  CD-HD0x Series Surface Mount Schottky Bridge Rectifier Diode"
  rect 1.2x1.2 smd: 1(1.25,2.95) 2(1.25,-2.95) 3(-1.25,-2.95) 4(-1.25,2.95)
  silkscreen extent -2.35,-3.08 2.43,3.53, body extent -2.37,-3.08 2.37,3.08, height 1.14
CON_A_BW2099_SoM_DF40HC-3.0-100DS-0.4V_minpad [mm] "3.0MM MATED HEIGHT CONN HDR 100POS 0.4MM SMD GOLD"
  rect 0.7x0.18 smd: 1(-19.04,-9.8) 2(-15.96,-9.8) 3(-19.04,-9.4) 4(-15.96,-9.4) 5(-19.04,-9) 6(-15.96,-9) 7(-19.04,-8.6) 8(-15.96,-8.6) 9(-19.04,-8.2) 10(-15.96,-8.2) 11(-19.04,-7.8) 12(-15.96,-7.8) 13(-19.04,-7.4) 14(-15.96,-7.4) 15(-19.04,-7) 16(-15.96,-7) 17(-19.04,-6.6) 18(-15.96,-6.6) 19(-19.04,-6.2) 20(-15.96,-6.2) 21(-19.04,-5.8) 22(-15.96,-5.8) 23(-19.04,-5.4) 24(-15.96,-5.4) 25(-19.04,-5) 26(-15.96,-5) 27(-19.04,-4.6) 28(-15.96,-4.6) 29(-19.04,-4.2) 30(-15.96,-4.2) 31(-19.04,-3.8) 32(-15.96,-3.8) 33(-19.04,-3.4) 34(-15.96,-3.4) 35(-19.04,-3) 36(-15.96,-3) 37(-19.04,-2.6) 38(-15.96,-2.6) 39(-19.04,-2.2) 40(-15.96,-2.2) 41(-19.04,-1.8) 42(-15.96,-1.8) 43(-19.04,-1.4) 44(-15.96,-1.4) 45(-19.04,-1) 46(-15.96,-1) 47(-19.04,-0.6) 48(-15.96,-0.6) 49(-19.04,-0.2) 50(-15.96,-0.2) 51(-19.04,0.2) 52(-15.96,0.2) 53(-19.04,0.6) 54(-15.96,0.6) 55(-19.04,1) 56(-15.96,1) 57(-19.04,1.4) 58(-15.96,1.4) 59(-19.04,1.8) 60(-15.96,1.8) 61(-19.04,2.2) 62(-15.96,2.2) 63(-19.04,2.6) 64(-15.96,2.6) 65(-19.04,3) 66(-15.96,3) 67(-19.04,3.4) 68(-15.96,3.4) 69(-19.04,3.8) 70(-15.96,3.8) 71(-19.04,4.2) 72(-15.96,4.2) 73(-19.04,4.6) 74(-15.96,4.6) 75(-19.04,5) 76(-15.96,5) 77(-19.04,5.4) 78(-15.96,5.4) 79(-19.04,5.8) 80(-15.96,5.8) 81(-19.04,6.2) 82(-15.96,6.2) 83(-19.04,6.6) 84(-15.96,6.6) 85(-19.04,7) 86(-15.96,7) 87(-19.04,7.4) 88(-15.96,7.4) 89(-19.04,7.8) 90(-15.96,7.8) 91(-19.04,8.2) 92(-15.96,8.2) 93(-19.04,8.6) 94(-15.96,8.6) 95(-19.04,9) 96(-15.96,9) 97(-19.04,9.4) 98(-15.96,9.4) 99(-19.04,9.8) 100(-15.96,9.8)
  silkscreen extent -22.53,-15 -16.85,15.03, body extent -19.19,-11.3 -15.81,11.3, height 2.85
CON_B_BW2099_SoM_DF40HC-3.0-100DS-0.4V_minpad [mm] "3.0MM MATED HEIGHT CONN HDR 100POS 0.4MM SMD GOLD"
  rect 0.7x0.18 smd: 1(17.96,-6.8) 2(21.04,-6.8) 3(17.96,-6.4) 4(21.04,-6.4) 5(17.96,-6) 6(21.04,-6) 7(17.96,-5.6) 8(21.04,-5.6) 9(17.96,-5.2) 10(21.04,-5.2) 11(17.96,-4.8) 12(21.04,-4.8) 13(17.96,-4.4) 14(21.04,-4.4) 15(17.96,-4) 16(21.04,-4) 17(17.96,-3.6) 18(21.04,-3.6) 19(17.96,-3.2) 20(21.04,-3.2) 21(17.96,-2.8) 22(21.04,-2.8) 23(17.96,-2.4) 24(21.04,-2.4) 25(17.96,-2) 26(21.04,-2) 27(17.96,-1.6) 28(21.04,-1.6) 29(17.96,-1.2) 30(21.04,-1.2) 31(17.96,-0.8) 32(21.04,-0.8) 33(17.96,-0.4) 34(21.04,-0.4) 35(17.96,0) 36(21.04,0) 37(17.96,0.4) 38(21.04,0.4) 39(17.96,0.8) 40(21.04,0.8) 41(17.96,1.2) 42(21.04,1.2) 43(17.96,1.6) 44(21.04,1.6) 45(17.96,2) 46(21.04,2) 47(17.96,2.4) 48(21.04,2.4) 49(17.96,2.8) 50(21.04,2.8) 51(17.96,3.2) 52(21.04,3.2) 53(17.96,3.6) 54(21.04,3.6) 55(17.96,4) 56(21.04,4) 57(17.96,4.4) 58(21.04,4.4) 59(17.96,4.8) 60(21.04,4.8) 61(17.96,5.2) 62(21.04,5.2) 63(17.96,5.6) 64(21.04,5.6) 65(17.96,6) 66(21.04,6) 67(17.96,6.4) 68(21.04,6.4) 69(17.96,6.8) 70(21.04,6.8) 71(17.96,7.2) 72(21.04,7.2) 73(17.96,7.6) 74(21.04,7.6) 75(17.96,8) 76(21.04,8) 77(17.96,8.4) 78(21.04,8.4) 79(17.96,8.8) 80(21.04,8.8) 81(17.96,9.2) 82(21.04,9.2) 83(17.96,9.6) 84(21.04,9.6) 85(17.96,10) 86(21.04,10) 87(17.96,10.4) 88(21.04,10.4) 89(17.96,10.8) 90(21.04,10.8) 91(17.96,11.2) 92(21.04,11.2) 93(17.96,11.6) 94(21.04,11.6) 95(17.96,12) 96(21.04,12) 97(17.96,12.4) 98(21.04,12.4) 99(17.96,12.8) 100(21.04,12.8)
  silkscreen extent 16.75,-15.04 22.53,15, body extent 17.81,-8.3 21.19,14.3, height 2.85
DDTC114YCA-7-F [mm] "TO-236-3, SC-59, SOT-23-3"
  rect 0.8x0.9 smd: 1(-0.95,-1) 2(0.95,-1) 3(0,1)
  silkscreen extent -1.46,0 1.46,0.69, body extent -1.5,-1.1 1.5,1.1, height 1.1
DFE252012P-1R0M=P2 [mm] "Chip Inductor, 2-Leads, Body 2.40x2.00mm, IPC High Density"
  rect 0.8x2 smd: 1(-1,0) 2(1,0)
  silkscreen extent -0.05,-0.9 0.05,0.9, body extent -1.25,-1.1 1.25,1.1, height 1.2
DO1608C-102MLx [mm] "Coil inductor 6.6x4.45mm"
  rect 1.4x3.56 smd: 1(-2.73,0) 2(2.73,0)
  silkscreen extent -2.01,-2.22 2.01,2.22, body extent -3.3,-2.23 3.3,2.22, height 2.92
DTSM-32N-V [mm] "tactile button 160gf"
  rect 2x1.5 smd: 1(-2.7,0) 2(2.7,0)
  silkscreen extent -3.01,-1.76 3,1.75, body extent -3.65,-1.75 3.65,1.75, height 5
ECA-0JM102 [mm] "Body diameter: 8mm, lead pitch: 3.5mm"
  rect 1.6x1.6 / inner round 1.6 / far side rect 1.6x1.6 hole 0.8 mask+0.05: 1(-1.75,0)
  round 1.6 hole 0.8 mask+0.05: 2(1.75,0)
  silkscreen extent -4.15,-4 4,4.4, body extent -4,-4 4,4, height 16
ECS-250-18-36B-CKY-TR [mm] "2.5x2.0mm ceramic SMD"
  rect 1.2x1 smd: 1(-0.85,-0.65) 2(0.85,-0.65) 3(0.85,0.65) 4(-0.85,0.65)
  silkscreen extent -1.77,-1.44 1.75,0.99, body extent -1.3,-1.05 1.3,1.05, height 0.6
EEU-FC2A120 [mm] "Body diameter: 6.3mm, lead pitch: 2.5mm"
  rect 1.6x1.6 / inner round 1.6 / far side rect 1.6x1.6 hole 0.8 mask+0.05: 1(-1.25,0)
  round 1.6 hole 0.8 mask+0.05: 2(1.25,0)
  silkscreen extent -3.6,-3.15 3.15,3.6, body extent -3.15,-3.15 3.15,3.15, height 12
FIDUCIAL_ROUND_1MM [mm] "Round, 1mm dia"
  round 1 smd paste-1 mask+0.5: 1(0,0)
  Top Copper keep-out circle w0.025: c0,0 r1
FP-517CU-MFG [mil]
  round 1 smd: 1(-12.8,-15.26) 2(12.8,-17.24) 3(12.8,17.24) 4(-12.8,17.24)
  rect 22.83x22.83 smd rot 135 paste+0 mask+0: 5(0,0)
  Top Copper region: -18.7,8.78 -18.7,25.71 -6.89,25.71 -6.89,16.65 -14.76,8.78
  Top Copper region: -18.7,-25.69 -18.7,-4.82 -6.89,-16.63 -6.89,-25.69
  Top Copper region: 18.7,-8.78 18.7,-25.71 6.89,-25.71 6.89,-16.65 14.76,-8.78
  Top Copper region: 18.7,25.71 6.89,25.71 6.89,16.65 14.76,8.78 18.7,8.78
  silkscreen extent -33,-54 33,21, body extent -25,-30 25,30, height 10
FP-155124M173200-MFG [mm]
  rect 0.6x0.9 smd paste+0 mask+0: 1(-1.4,0.5) 4(1.4,0.5)
  rect 0.6x0.55 smd paste+0 mask+0: 2(-0.45,0.825) 3(0.45,0.825)
  silkscreen extent -2.37,-0.8 1.65,0.62, body extent -1.8,-0.9 1.8,1.2, height 0.25
LM66100DCKR [mm] "SOT23, 6-Leads, Body 2.00x2.10mm, Pitch 0.65mm, IPC Medium Density"
  rect 0.85x0.35 smd: 1(-1.1,0.65) 2(-1.1,0) 3(-1.1,-0.65) 4(1.1,-0.65) 5(1.1,0) 6(1.1,0.65)
  silkscreen extent -1.42,-1.1 0.3,1.46, body extent -1.2,-1.07 1.2,1.07, height 1.1
LQH32NH2R2J23L [mm] "inductor 3.20mm x 2.50mm x 2.2mm"
  rect 1x2 smd: 1(-1.15,0) 2(1.15,0)
  Top Copper region: -1.15,-0.45 -2.7,-0.45 -2.7,0.45 -1.15,0.45
  Top Copper region: 1.15,0.45 2.75,0.45 2.75,-0.45 1.15,-0.45
  body extent -1.6,-1.25 1.6,1.25, height 1.55
ONSC-SC70-6-419B-02_W_V [mm] "SOT23, 6-Leads, Body 2x1.25mm, Pitch 0.65mm"
  rect 0.5x0.4 smd: 1(-0.95,0.65) 2(-0.95,0) 3(-0.95,-0.65) 4(0.95,-0.65) 5(0.95,0) 6(0.95,0.65)
  silkscreen extent -1.08,-1 0.3,1.52, body extent -1.05,-1 1.05,1, height 1.08
PDS1040-13 [mm] "Powerdi5 Diodes"
  rect 4.86x3.36 smd: 1(-1.126,0)
  rect 1.4x1.39 smd: 2(2.856,-0.92) 2(2.856,0.92)
  silkscreen extent -3.9,-1.68 -3.9,1.68, body extent -3.25,-1.99 3.25,1.99, height 1.12
PTN5150H [mm] "X2QFN-12 1.6x1.6"
  rrect50% 0.2x0.7 smd mask+0.05: 1(0.2,0.65) 2(-0.2,0.65) 7(-0.2,-0.65) 8(0.2,-0.65)
  rrect50% 0.5x0.2 smd mask+0.05: 3(-0.75,0.6) 4(-0.75,0.2) 5(-0.75,-0.2) 6(-0.75,-0.6) 9(0.75,-0.6) 10(0.75,-0.2) 11(0.75,0.2) 12(0.75,0.6)
  silkscreen extent 0.57,0.97 0.63,1.03, body extent -0.8,-0.8 0.8,0.8, height 0.4
RE1C002UNTCL [mm] "ROHM SOT-416FL"
  rect 0.3x0.71 smd: 1(-0.5,-0.61) 2(0.5,-0.61) 3(0,0.61)
  silkscreen extent -0.85,0.18 0.85,0.48, body extent -0.95,-1.06 0.95,1.07, height 0.25
RESC0402(1005)_L [mm] "Chip Resistor, Body 1.0x0.5mm, IPC High Density"
  rect 0.45x0.55 smd: 1(-0.45,0) 2(0.45,0)
  body extent -0.52,-0.27 0.53,0.28, height 0.4
RESC0402(1005)_N [mm] "Chip Resistor, Body 1.0x0.5mm, IPC Medium Density"
  rect 0.55x0.65 smd: 1(-0.5,0) 2(0.5,0)
  body extent -0.52,-0.27 0.53,0.28, height 0.4
RESC0603(1608)_L [mm] "Chip Resistor, Body 1.6x0.8mm, IPC High Density"
  rect 0.7x0.9 smd: 1(-0.7,0) 2(0.7,0)
  silkscreen extent -0.05,-0.35 0.05,0.35, body extent -0.85,-0.47 0.85,0.47, height 0.6